# Allegro board RK3588S_Template_LP5D315P232SD10H2_42x42_2750MHz_1R2_V10_20220413YWQ.brd (continued)
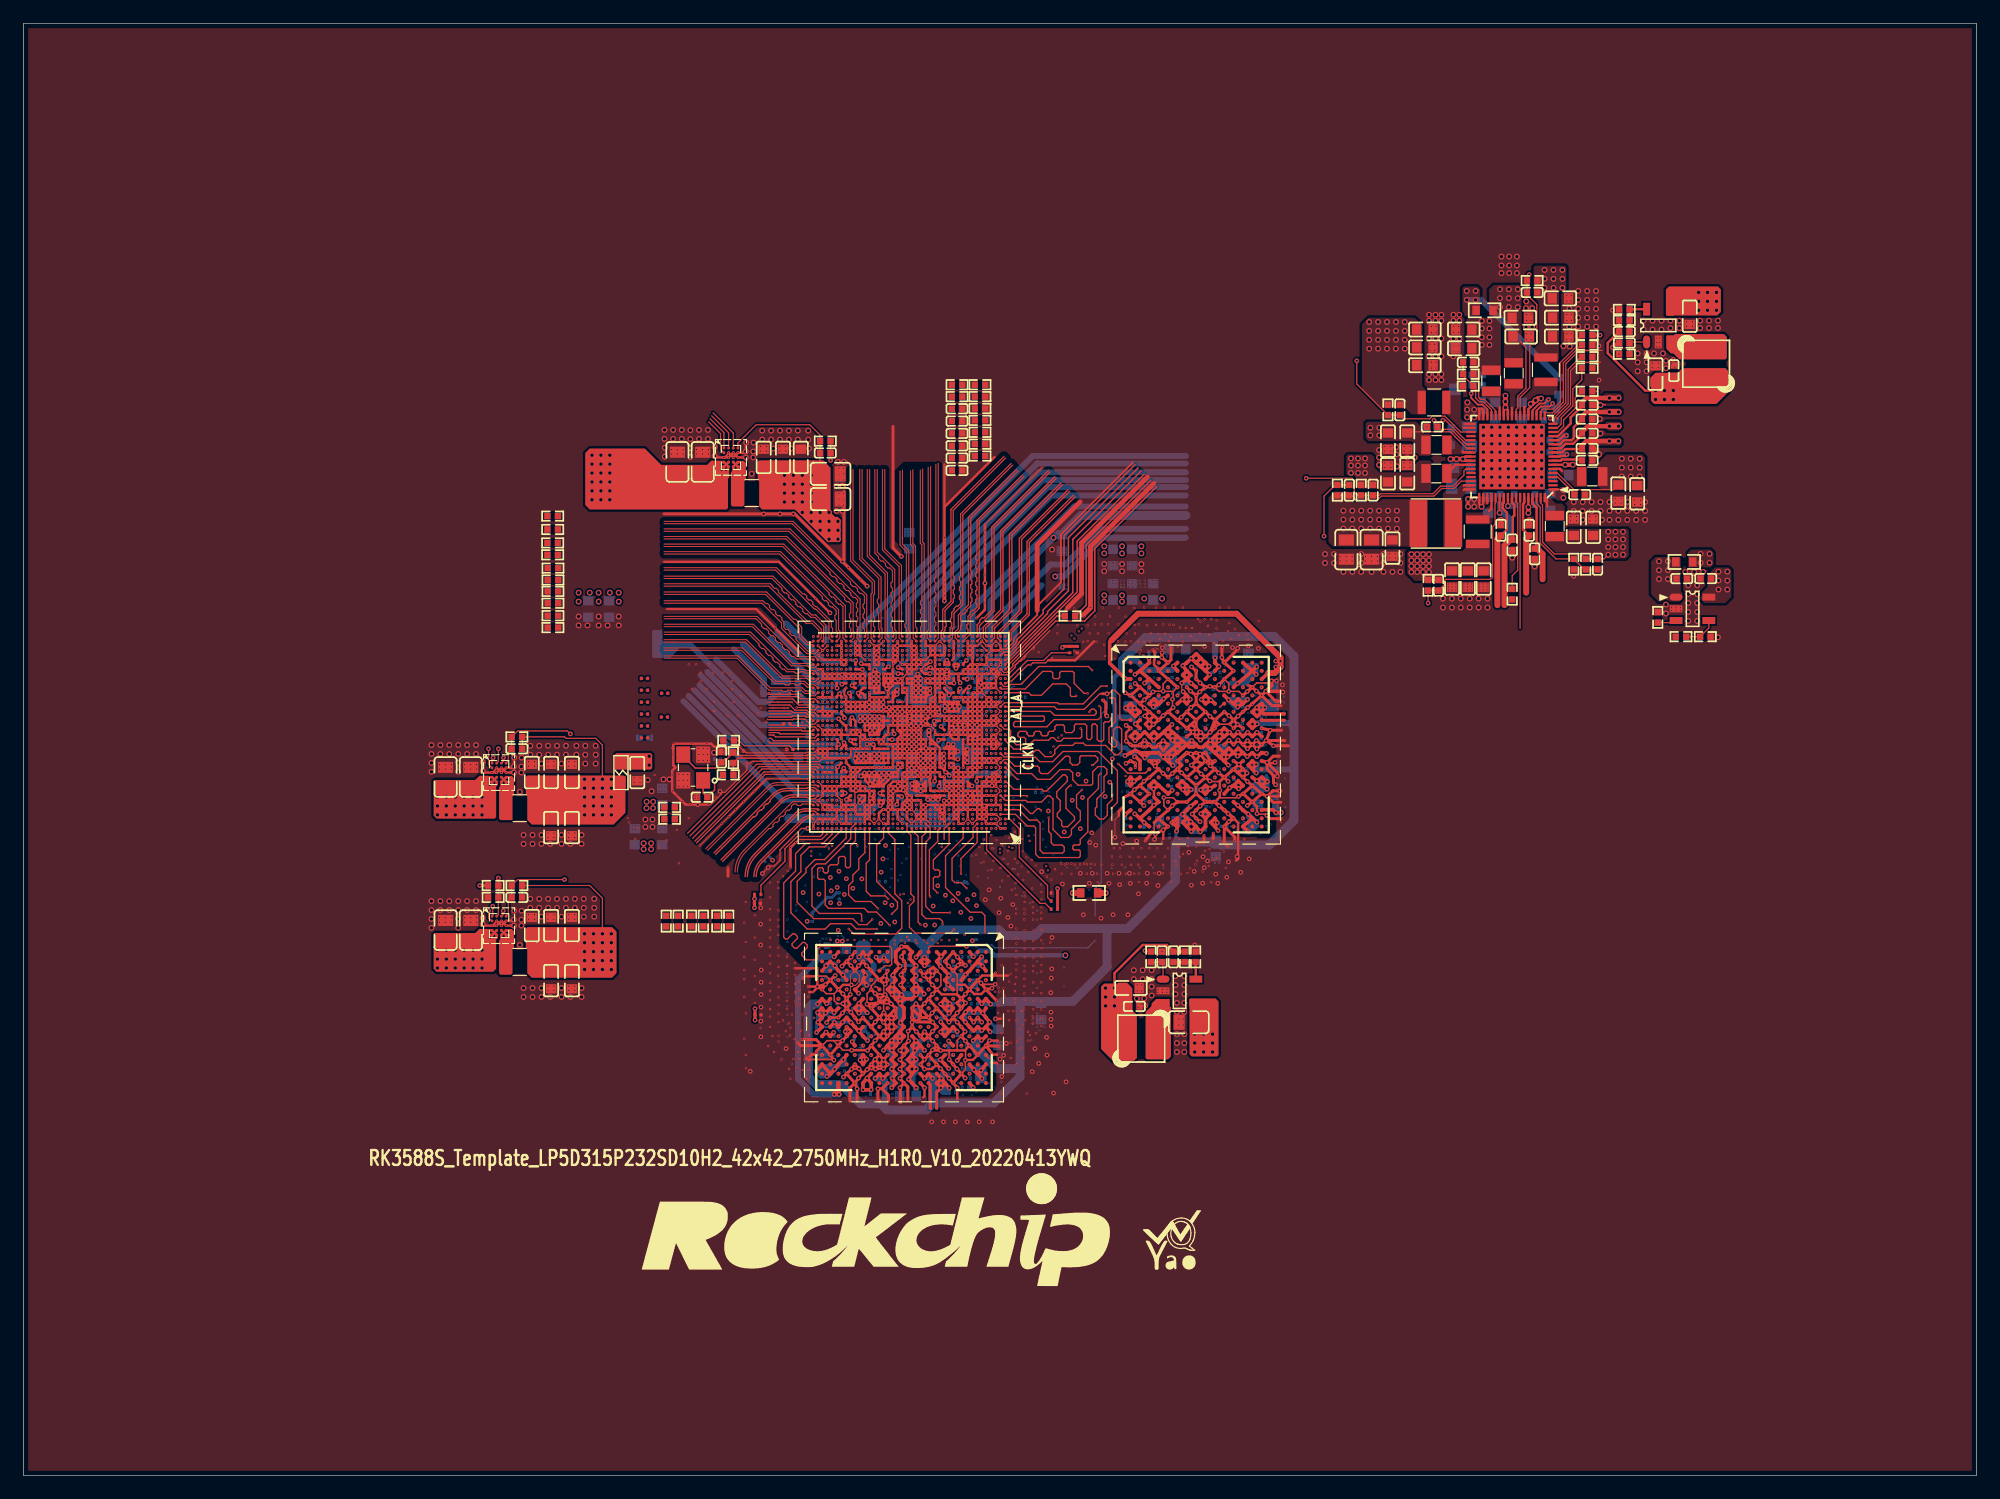
[diagram p0: board, top side]
## Routing (per net, layer and track width the routed paths; a pad name or vN(x,y) marks a point on that pad's centre or on a via; arc(x,y) is an arc through that point) (continued)
VCC1V8_PMU_DDR_S3: length 181.1
  TOP w0.102: R3950.1 95.89,44.77 v1(95.82,44.85)
  TOP w0.203: U1000.R36 69.89,60.87 v1(69.57,60.55) 69.49,60.48 U1000.N37 ; U1000.V35 70.29,62.4 70.12,62.57 v1(70.12,62.62) 70.1,62.6 70.1,62.4 70.08,62.37 70.08,62.36 69.89,62.17 U1000.V36 ; U1000.V37 69.49,62.33 v1(69.64,62.48) 69.58,62.55 69.58,62.82 U1000.Y37
  TOP w0.254: v1(69.27,44.32) U3901.Y1
  TOP w0.305: U3901.C15 v1(81.15,33.16) ; 92.96,71.37 92.81,71.22 92.81,69.41 94.11,68.11 v1(94.11,68.11) 94.16,68.06 U3900.C1 ; v1(107.47,56.66) v1(107.02,56.66) 106.78,56.9 105.84,56.9 U3900.Y15 ; U3900.C15 v1(106.36,68.58) ; U3901.C1 v1(81.16,44.34) ; U3900.Y1 v1(94.13,56.49)
  TOP w0.381: 69.64,32.92 v1(69.28,32.57) ; 69.64,32.92 U3901.Y15 ; 69.64,32.92 69.64,32.62 v1(69.68,32.57)
  TOP w0.508: 92.96,71.37 95.23,73.64 103.65,73.64 107.4,69.89 v1(107.4,69.6) v1(107.4,69.09) 107.4,69.09 106.9,68.58 v1(106.36,68.58)
  L6-S2 w0.254: v1(94.13,56.49) 94.58,56.05 95.25,56.05 95.51,56.31 95.87,56.31 96.39,55.79 98.93,55.79 99.22,55.5 99.22,54.4 99.39,54.23
  L6-S2 w0.305: 81.15,31.83 v1(81.15,33.16)
  L6-S2 w0.508: 99.22,54.53 99.66,54.09 99.53,54.09 ; 99.53,54.09 99.39,54.23 ; 99.53,54.09 99.63,53.99 106.63,53.99 106.66,54.01 ; 81.36,31.61 81.15,31.83
  L6-S2 w1.524: 70.44,31.61 85.02,31.61 89.03,35.62 v2(89.03,44.45) 97.16,44.45 101.7,49 104.08,49 106.66,51.57 106.66,54.01
  L8-S3 w0.203: 69,63.93 69.75,63.18 69.75,63.01 v5(69.77,62.99)
  L8-S3 w0.305: v5(69.77,62.99) 69.82,62.99 70.12,62.69 v1(70.12,62.62)
  L8-S3 w0.508: 55.88,70.11 62.05,63.93 69,63.93
  BOTTOM w0.102: C3961.1 68.95,32.56 68.95,32.57
  BOTTOM w0.203: v5(69.77,62.99) 70.1,62.66 70.1,62.64 v1(70.12,62.62) ; 69.57,60.7 69.57,60.73
  BOTTOM w0.254: C3912.1 94.02,67.83 94.11,67.91 v1(94.11,68.11) ; v1(81.16,44.34) 81.13,44.31 C3960.1 ; C3962.1 81.14,33.18 v1(81.15,33.16) ; C3910.1 94.13,56.19 v1(94.13,56.49) ; v1(106.36,68.58) 106.37,68.58 C3911.1
  BOTTOM w0.279: C1101.1 69.57,60.7 v1(69.57,60.55) 69.47,60.45 69.3,60.45
  BOTTOM w0.356: C1106.1 v1(69.64,62.48)
  BOTTOM w0.381: v2(89.03,44.45) 82.97,44.45 82.59,44.83 81.66,44.83 v1(81.16,44.34) ; C3959.1 69.21,44.37 v1(69.27,44.32) ; v1(107.02,56.66) 107.02,57.01 106.97,57.05 C3909.1
  BOTTOM w0.457: C1106.1 63.76,62.48
  BOTTOM w0.508: v1(69.68,32.57) v1(69.28,32.57) 67.51,32.57 66.17,33.91 66.17,42.42 68.07,44.32 68.61,44.32 C3959.1 ; 107.44,56.66 v1(107.47,56.66) ; 107.44,56.66 v1(107.02,56.66) ; 107.44,56.66 C3909.1 ; R2210.1 124.55,100.46 v2(124.08,100.46) v2(123.32,100.46) ; 63.76,62.48 65.79,60.45 69.3,60.45 69.57,60.73 ; 63.76,62.48 57.85,68.39 ; 63.76,62.48 63.76,62.48
  vias: v1(107,69.6) v1(107,69.09) v2(123.32,101.22) v2(124.08,101.22)
VCC_1V1_NLDO_S3: length 13.5
  TOP w0.203: v2(139.45,92.71) 138.56,92.71 135.36,95.91 135.36,96.78 C2326.1 R2306.1 ; v1(131.83,88.87) 131.6,88.87 131.2,88.47 U2200.13 ; v1(131.86,87.25) 131.83,87.25 131.7,87.13 131.32,87.13 131.26,87.07 U2200.9
  BOTTOM w0.508: v1(131.86,87.25) 131.51,87.25 C2264.1 C2257.1 131.71,88.87 v1(131.83,88.87)
  vias: v2(139.45,91.95) v2(140.21,92.71) v2(140.21,91.95) v2(140.97,92.71) v2(140.97,91.95)
VCC_1V8_S0: length 42.8
  TOP w0.203: C2246.1 127.25,80.02 127.25,81.91 127.38,82.04 127.38,82.93 127.19,83.12 127.19,83.12 127.18,83.13 U2200.60 ; v1(70.56,66.85) 70.69,66.72 U1000.AJ34 ; U1000.AK11 79.89,67.12 v1(80.01,67.23) ; 71.42,57.56 v1(71.48,57.51) 71.63,57.51 71.82,57.7 U1000.G31 U1000.H31 71.51,58.1 v1(71.42,58.01) 71.42,57.56 ; U1000.G28 73.09,57.36 v1(73.2,57.25) 73.29,57.25 73.49,57.45 U1000.G27 U1000.G28
  TOP w0.508: 126.54,74.37 126.54,79.46 127.05,79.97 C2246.1
  L8-S3 w0.203: v1(70.56,66.85) 70.36,67.06 70.36,67.82 70.15,68.02 69.39,68.02
  L8-S3 w0.254: v5(79.38,71.12) v5(79.38,70.87) 79.38,69.43 79.25,69.31 79.25,68.72 79.38,68.6 79.38,68.2 79.07,67.9 79.07,67.54 79.38,67.23 v1(80.01,67.23)
  L8-S3 w0.508: 69.39,68.02 69.29,68.12 64.94,68.12 v5(64.89,68.07)
  BOTTOM w0.203: 71.9,57.28 C1508.1
  BOTTOM w0.254: C1508.1 71.86,58.01 v1(71.42,58.01)
  BOTTOM w0.279: C1906.1 70.66,66.95 v1(70.56,66.85)
  BOTTOM w0.305: v1(71.42,58.01) 71.42,57.56 v1(71.48,57.51) ; 71.9,57.28 71.67,57.51 v1(71.48,57.51) ; v1(73.2,57.25) 72.98,57.25 C1902.1 ; 71.05,56.13 71.36,56.44 C1903.1 71.36,57.39 v1(71.48,57.51) ; v1(80.01,67.23) 80.13,67.11 C1302.1
  BOTTOM w0.508: R1401.2 78.92,71.57 v5(79.38,71.12) v5(79.38,70.87) ; 61.47,70.99 64.14,68.32 R1927.2 R1909.2
  BOTTOM w0.762: 65.4,56.13 71.05,56.13
  vias: v5(64.64,68.07) v5(64.64,67.82) v5(64.89,67.82)
VCC_1V8_S3: length 23.6
  TOP w0.102: U2200.25 127.53,91.08 127.68,91.23 127.68,92.22 128.37,92.91 128.37,96.42 127.89,96.9
  TOP w0.305: R2261.1 v1(134.71,97.44)
  L8-S3 w0.305: v2(127.68,99.84) 127.68,99.74 128.23,99.19 129.67,99.19 131.41,97.44 v1(134.71,97.44)
  BOTTOM w0.508: 59.18,69.72 62.79,66.12 63.63,66.12 64.14,66.63 R1928.2 R1908.2
  vias: v2(126.15,101.36) v2(126.15,100.6) v2(126.15,99.84) v2(126.92,101.36) v2(126.92,100.6) v2(126.92,99.84) v2(127.68,101.36) v2(127.68,100.6)
VCC_1V8_S3_PLDO6: length 4.1
  TOP w0.152: v1(130.65,91.6) 130.4,91.35 129.65,91.35 129.28,90.98 U2200.20
  BOTTOM w0.381: R2210.2 131.19,91.27 C2248.1 130.65,91.4 v1(130.65,91.6)
VCC_2V0_PLDO_S3: length 7.6
  TOP w0.102: U2200.41 123.32,87.77 122.3,88.78 122.3,88.8 121.92,89.18 118.02,89.18 117.98,89.22
  TOP w0.152: U2200.59 v2(126.83,82.85)
  BOTTOM w0.508: v2(126.83,82.85) 127.28,82.85 C2247.1
  vias: v2(115.08,89.53) v2(115.08,88.88) v2(115.84,89.53) v2(115.84,88.88)
VCC_3V3_S0: length 17.6
  TOP w0.203: U1000.AM33 70.99,67.7 v1(70.8,67.51) 71,67.3 U1000.AL33
  L6-S2 w0.203: 69.65,68.02 70.28,68.02
  L6-S2 w0.254: 68.85,68.82 69.65,68.02 ; 70.28,68.02 v1(70.8,67.51)
  L6-S2 w0.508: 68.85,68.82 62.48,75.18 v4(62.48,80.14)
  BOTTOM w0.279: C1907.1 70.87,67.58 v1(70.8,67.51)
  vias: v2(139.74,78.12) v2(139.74,77.36) v2(139.74,76.6) v2(140.5,78.12) v2(140.5,77.36) v2(140.5,76.6)
VCC_3V3_S3: length 7
  TOP w0.102: U2200.5 131.05,85.67 132.47,84.25 135.87,84.25 C2239.1
  TOP w0.203: R2302.1 v1(38.99,50.42)
  vias: v2(136.57,86.89) v2(136.57,86.12) v2(136.57,85.36) v2(137.33,86.89) v2(137.33,86.12) v2(137.33,85.36) v2(138.09,86.89) v2(138.09,86.12) v2(138.09,85.36) v2(144.82,77.23) v2(144.82,76.47) v2(144.82,75.71) v2(145.58,77.23) v2(145.58,76.47) v2(145.58,75.71)
VCC_5V0_PWREN_H: length 14.4
  L3-S1 w0.076: 74.14,72.8 74.29,72.64 74.29,70.5 v3(73.89,70.1)
  L3-S1 w0.102: 74.14,84.23 74.14,72.8
VCC_SYSIN: length 41.8
  TOP w0.102: v2(123.43,83.44) 123.47,83.44 123.47,83.44 v2(123.95,83.44) v2(123.95,82.78) ; v2(123.95,90.42) 124.1,90.57 U2200.34
  TOP w0.203: 131.12,84.27 U2200.1 130.68,83.77 ; 38.63,59.27 39.03,59.67 U2301.D1 U2301.E2 40.44,59.07 40.04,58.67 ; 38.63,59.27 C2302.1 ; 38.63,59.27 U2301.E1 ; 59.85,85 60.2,85.34 60.2,86.14 U2302.E2 59.85,86.59 ; 59.85,85 58.99,84.14 ; 59.85,85 U2302.E1 ; 59.85,86.59 U2302.D1 59.85,86.59 ; 59.85,86.59 58.84,86.59 58.44,86.19 ; 38.63,46.19 C2301.1 ; 38.63,46.19 39.03,46.59 U2300.D1 U2300.E2 40.44,45.99 40.04,45.59 ; 38.63,46.19 U2300.E1 ; v2(39.18,44.13) 40.04,44.99 40.04,45.59 ; U2200.64 v2(128.58,82.75) ; U2302.D2 59.85,86.2 U2302.E1 ; v2(39.18,57.21) 40.04,58.07 U2301.E1 ; U2200.22 128.58,91.12 128.78,91.31 v2(128.78,91.57) ; U2200.27 126.83,91.05 v2(126.62,91.26) 126.48,91.12 U2200.28 ; U2300.E1 40.04,45.59 ; U2300.E1 U2300.D2 ; U2200.44 123.13,86.72 v2(122.99,86.86) 123.2,87.07 U2200.43 ; U2200.53 124.73,83.08 ; U2200.34 124.38,91.14 124.33,91.19 ; U2302.E1 58.44,86.19 ; 58.44,86.19 C2317.1 ; U2301.E1 U2301.D2 ; 124.38,82.98 U2200.52 124.08,83.57 v2(123.95,83.44) ; U2200.54 125.08,83.07 ; 124.59,91.19 124.73,91.04 U2200.33 ; v2(131.73,86.37) U2200.7
  TOP w0.254: v2(123.43,82.78) v2(123.43,83.44)
  TOP w0.381: v2(126.62,92.27) v2(126.62,91.76) v2(126.62,91.26) ; v2(122.99,86.86) v2(122.45,86.86) v2(121.92,86.86) ; v2(132.39,86.37) v2(131.73,86.37)
  TOP w0.406: v2(128.78,91.57) 128.88,91.57 v2(129.19,91.87) 129.26,91.87 129.41,92.03 v2(129.67,92.03) ; v2(128.58,82.25) v2(128.58,82.75)
  BOTTOM w0.104: v2(123.95,90.42) v2(123.95,91.08)
  vias: v2(35.37,57.98) v2(35.37,57.21) v2(35.37,56.45) v2(35.37,44.89) v2(35.37,44.13) v2(35.37,43.37) v2(36.13,57.98) v2(36.13,57.21) v2(36.13,56.45) v2(36.13,44.89) v2(36.13,44.13) v2(36.13,43.37) v2(36.9,57.98) v2(36.9,57.21) v2(36.9,56.45) v2(36.9,44.89) v2(36.9,44.13) v2(36.9,43.37) v2(37.66,57.98) v2(37.66,57.21) v2(37.66,56.45) v2(37.66,44.89) v2(37.66,44.13) v2(37.66,43.37) v2(38.42,57.98) v2(38.42,57.21) v2(38.42,56.45) v2(38.42,44.89) v2(38.42,44.13) v2(38.42,43.37) v2(39.18,57.98) v2(39.18,56.45) v2(39.18,44.89) v2(39.18,43.37) v2(48.58,87.19) v2(48.58,86.43) v2(48.58,85.66) v2(48.58,84.9) v2(48.58,84.14) v2(48.58,83.38) v2(49.34,87.19) v2(49.34,86.43) v2(49.34,85.66) v2(49.34,84.9) v2(49.34,84.14) v2(49.34,83.38) v2(50.1,87.19) v2(50.1,86.43) v2(50.1,85.66) v2(50.1,84.9) v2(50.1,84.14) v2(50.1,83.38) v2(100.08,37.72) v2(100.08,36.96) v2(100.08,36.2) v2(100.84,37.72) v2(100.84,36.96) v2(100.84,36.2) v2(101.6,37.72) v2(101.6,36.96) v2(101.6,36.2) v2(123.38,91.69) v2(123.35,91.08) v2(123.35,90.42) v2(124.59,82.78) v2(131.57,84.2) v2(131.57,83.55) v2(143.13,101.09) v2(143.13,100.33) v2(143.13,99.57) v2(143.89,101.09) v2(143.89,100.33) v2(143.89,99.57) v2(144.65,101.09) v2(144.65,100.33) v2(144.65,99.57)
VCCA: length 3.3
  TOP w0.152: v1(130.3,91.96) 129.95,91.6 129.52,91.6 128.93,91.01 U2200.21
  BOTTOM w0.381: v1(130.3,91.96) 130.3,91.94 130.16,91.8 130.16,91.3 C2254.1
VCCA_1V8_S0: length 280.2
  TOP w0.178: U1000.AK12 79.35,66.9 79.13,66.69 v1(79.08,66.69)
  TOP w0.203: v1(79.08,66.69) 79.08,66.84 78.69,67.23 U1000.AL14 ; U1000.AP23 74.95,68.5 74.92,68.53 v1(74.73,68.53) ; v1(70.08,60.44) 70.08,60.39 ; 70.08,60.39 69.89,60.2 U1000.N36 ; 70.08,60.39 70.29,60.19 U1000.N35 ; U1000.AM35 70.04,67.7 69.95,67.61 v1(69.93,67.61) ; v1(71.58,69.39) 71.67,69.3 U1000.AT30 U1000.AR30 ; U2200.58 126.48,83.13 126.47,83.12 126.47,83.12 126.38,83.03 126.38,82.66 126.75,82.29 126.75,80.83 C2249.1 ; U1000.AR23 75.07,68.9 75.01,68.96 74.83,68.96 v1(74.74,69.05) ; U1000.AB25 74.29,63.53 74.4,63.42 v1(74.4,63.37)
  TOP w0.229: U1000.H34 70.67,58.1 v1(70.33,57.76) 70.39,57.7 U1000.G34
  TOP w0.508: C2249.1 125.93,80.02 125.93,74.37
  L6-S2 w0.152: 79.38,70.71 79.38,69.34 79.2,69.16 79.2,68.76 79.32,68.64 79.32,68.35 78.77,67.79 78.66,67.79
  L6-S2 w0.254: 79.38,70.71 79.33,70.71 78.46,69.85 78.46,67.99 78.66,67.79
  L6-S2 w0.457: 78.66,67.79 78.66,67.74 78.67,67.74 78.67,67.11 v1(79.08,66.69) ; 79.38,70.71 79.48,70.71 80.21,71.45 80.21,74.36 81.44,75.58 81.44,76.29 81.98,76.83 v2(88.15,76.83)
  L8-S3 w0.191: 72.06,63.25 71.04,64.27
  L8-S3 w0.203: 69.06,64.54 69.34,64.27 71.04,64.27 ; 72.06,63.25 72.42,63.25 73.79,63.25 73.89,63.35 74.37,63.35 v1(74.4,63.37)
  L8-S3 w0.254: v1(74.73,68.53) 74.82,68.53 75.17,68.87 75.17,69.71
  L8-S3 w0.305: 75.17,69.71 75.19,69.73 75.19,71.82 74.37,72.64
  L8-S3 w0.508: 108.15,87.63 68.71,87.63 67.56,86.49 64.52,86.49 63.8,85.77 63.8,81.23 72.39,72.64 74.37,72.64 ; v5(66.78,64.54) v5(67.03,64.54) 69.06,64.54
  BOTTOM w0.254: v1(70.08,60.44) 70.08,60.2 ; C1104.1 74.4,63.37 v1(74.4,63.37) ; v1(74.74,69.05) 74.74,69.14 75.07,69.47 75.35,69.47 75.61,69.72 C1403.1 C1404.1 75.61,70.87 ; 68.93,68.2 69.09,68.2
  BOTTOM w0.279: 71.43,71.43 C1610.1 C1609.1 71.58,70.12 v1(71.58,69.39) ; C1802.1 70.64,58.07 v1(70.33,57.76) ; 69.09,68.2 69.41,67.88 69.61,67.88 C1601.1 69.7,67.84 v1(69.93,67.61) 70.15,67.84 C1600.1 ; v1(74.73,68.53) 74.6,68.53 74.4,68.73 C1506.1 ; 69.72,59.79 C1100.1 70.08,59.84 70.08,60.2
  BOTTOM w0.305: v1(70.33,57.76) 70.34,57.75 C1803.1 70.08,57.15 68.83,57.15 68.33,57.66 64.9,57.66
  BOTTOM w0.508: 56.39,66.17 64.9,57.66 ; 71.43,71.43 71.43,72.31 86.23,87.12 99.31,87.12 ; 75.61,70.87 75.61,74.59 86.74,85.72 99.31,85.72 ; 69.72,59.79 65.52,59.79 57.76,67.54 ; v2(88.15,76.83) C1716.1 88.89,76.83 92.2,80.14 99.31,80.14 ; 58.43,68.67 62.97,64.13 C1114.1 ; 64.43,72.09 68.32,68.2 68.93,68.2 ; R1402.2 77.6,74.55 87.5,84.45 99.31,84.45
  vias: v5(66.55,64.54)
VCCA_3V3_S0: length 35.6
  TOP w0.203: v1(80.57,69.65) 80.29,69.37 U1000.AT10 ; C2251.1 128.13,80.84 128.13,82.93 128.13,82.94 128.13,83.03 128.23,83.13 U2200.63
  TOP w0.508: C2251.1 128.4,80.07 128.4,75.44
  BOTTOM w0.254: C1405.1 80.79,69.87 v1(80.57,69.65)
  BOTTOM w0.406: C1405.1 81.1,69.9 81.1,70.23
  BOTTOM w0.508: 99.31,82.8 89.78,82.8 81.1,74.12 81.1,70.23
  vias: v2(143.3,78.76) v2(143.3,78) v2(144.06,78.76) v2(144.06,78)
VCCIO5: length 15.6
  TOP w0.203: U1000.AC34 70.69,64.67 v1(70.79,64.77) 71.09,64.47 U1000.AC33
  L8-S3 w0.254: 68.79,65.16 70.38,65.16 70.76,64.77 v1(70.79,64.77)
  L8-S3 w0.508: v5(63.24,67.18) 65.27,65.16 68.79,65.16
  BOTTOM w0.279: v1(70.79,64.77) 70.56,64.54 C1905.1
  BOTTOM w0.508: 60.71,70.61 63.24,68.08 R1927.1 v5(63.24,67.44) v5(63.24,67.18) R1928.1
  vias: v5(62.99,67.44) v5(62.99,67.18)
VCCIO5_1V8: length 6.6
  TOP w0.203: v1(70.15,64.73) 70.15,64.85 69.89,65.11 U1000.AF36
  BOTTOM w0.203: v1(70.15,64.73) 70.15,64.77 69.85,65.07 69.81,65.07 69.73,65.15 C1904.1
  BOTTOM w0.254: 68.58,65.53 68.96,65.53 69.34,65.15 C1904.1
  BOTTOM w0.508: 68.58,65.53 67.85,65.53 67.72,65.66 67.32,65.66 R1908.1 R1909.1
VCCIO_FLASH: length 18.2
  TOP w0.203: U1000.AB35 U1000.AC35 70.17,64.1 69.65,64.62 v1(69.65,64.67)
  BOTTOM w0.254: v1(69.65,64.67) 68.85,64.67 C1300.1
  BOTTOM w0.508: 55.41,70.97 56.99,70.97 62.91,65.05 67.48,65.05 67.74,64.79 C1300.1
VCCIO_SD_S0: length 21.7
  TOP w0.178: v1(80.82,67.39) 80.7,67.26 80.57,67.26 80.39,67.08 80.39,67 U1000.AK10
  TOP w0.203: C2253.1 129.29,79.37 129.29,82.68 129.16,82.8 129.16,82.81 128.93,83.04 U2200.65
  TOP w0.508: 129.79,76.58 129.79,78.74 129.33,79.21 C2253.1
  BOTTOM w0.254: C1301.1 80.74,67.27 80.82,67.36 v1(80.82,67.39)
  BOTTOM w0.305: 81.15,66.67 81.04,66.79 C1301.1
  BOTTOM w0.406: 83.74,69.18 82.42,67.86 82.42,67.2 81.9,66.67 81.15,66.67
  BOTTOM w0.457: 84.67,70.74 84.67,70.51 83.74,69.58 83.74,69.18
  BOTTOM w0.508: 86.99,76.07 84.67,73.75 84.67,70.74
VDD2_DDR_S3: length 239.5
  TOP w0.102: R2218.1 124.33,93.67 124.33,92.11 124.49,91.96 124.82,91.96 125.78,91 U2200.30 ; v1(98.97,67.72) 98.97,67.1 v1(99.09,66.98)
  TOP w0.254: U3901.AB8 v1(68.54,39.53)
  TOP w0.305: U3900.A8 100.2,69.46 100.58,69.85 ; U3900.A8 100.6,69.11 ; U3900.A8 v1(99.78,69.82) ; v1(76.29,33.14) U3901.K15 v1(75.62,33.85) U3901.K14 ; v1(98.18,62.83) U3900.K5 ; v1(98.18,62.83) U3900.K6 ; v1(98.18,62.83) U3900.L6 ; U3900.K5 98.09,63.46 98.26,63.46 ; U3900.K5 97.47,63.48 97.47,63.57 ; U3901.F7 v1(78.37,40.29) U3901.F6 v1(79.14,40.33) ; U3901.F7 v1(79.1,39.5) U3901.E7 v1(79.14,40.33) ; U3901.F7 v1(79.14,40.33) ; v1(74.19,36.34) U3901.M12 74.14,35.54 U3901.M13 v1(74.19,34.74) U3901.M14 v1(74.25,33.94) U3901.M15 v1(74.19,33.14) ; v1(74.19,36.34) U3901.N11 ; v1(74.19,36.34) U3901.M11 ; U3900.B7 v1(99.06,69.21) U3900.A7 v1(99.78,69.82) ; U3900.B7 99.05,68.41 U3900.C7 ; U3900.B7 99.4,68.75 99.74,68.4 U3900.C7 ; U3900.E7 v1(99.09,66.98) ; U3900.E7 v1(99.02,66.31) ; U3900.E7 v1(99.7,66.33) U3900.F7 v1(99.02,66.31) ; U3901.L6 v1(74.9,40.34) ; U3901.L6 v1(75.02,41.08) ; U3901.L6 U3901.K6 v1(76.27,41.08) ; v1(74.9,40.34) U3901.M6 ; v1(74.9,40.34) U3901.L7 U3901.L8 v1(74.93,38.69) U3901.L9 74.86,37.91 ; U3900.N11 102.26,61.35 ; U3900.N11 v1(102.89,61.41) ; U3900.N11 v1(102.95,60.7) ; 102.26,61.35 U3900.M10 ; 102.26,61.35 102.26,61.42 U3900.M11 ; U3900.T7 99,59.36 U3900.T6 v1(99.06,58.6) ; U3900.T7 v1(99.75,58.62) U3900.V7 v1(99.06,58.6) ; U3900.T7 v1(99.06,58.6) ; U3901.K10 v1(76.26,37.17) ; v1(76.26,37.17) U3901.J11 ; v1(76.26,37.17) U3901.K11 v1(76.17,36.32) ; U3900.T10 v1(101.38,58.69) ; v1(101.38,58.69) U3900.T9 v1(100.59,58.59) U3900.V9 v1(101.38,58.69) ; v1(94.12,61.51) U3900.M1 95,61.98 U3900.M2 ; U3900.L10 102.21,62.1 ; U3900.L10 v1(102.14,62.81) ; U3900.L10 101.43,62.08 ; U3900.L10 v1(101.41,62.83) ; 102.21,62.1 U3900.M11 ; 102.21,62.1 102.14,62.1 U3900.M10 ; U3901.AA9 v1(69.3,38.73) U3901.Y9 v1(69.99,38.74) U3901.W8 v1(70.7,38.72) U3901.V9 v1(71.38,37.99) ; 100.6,69.11 100.94,69.45 100.99,69.45 ; 100.6,69.11 U3900.B9 ; U3900.K4 v1(96.57,62.81) U3900.K3 ; U3900.K4 97.47,63.57 ; U3900.K4 96.6,63.56 U3900.K3 ; U3900.M2 95.4,61.73 95.78,61.34 v1(95.81,61.34) 95.81,61.37 96.2,61.76 U3900.M3 ; U3900.M2 U3900.M3 ; U3900.M5 98.18,62.09 ; U3900.M5 v1(98.07,61.4) ; U3900.M5 v1(97.38,61.4) ; 98.18,62.09 U3900.L6 ; 98.18,62.09 98.27,62.09 U3900.M6 ; U3901.F9 v1(78.37,37.91) U3901.F10 79.13,37.99 ; U3901.F9 79.13,37.99 ; U3901.F9 v1(78.38,38.77) ; v1(102.14,62.81) U3900.K11 ; v1(102.14,62.81) U3900.K10 ; U3900.L7 v1(99.82,62.8) U3900.L8 ; U3900.L7 99.09,62.19 ; U3900.L7 99.07,62.75 ; U3900.L7 99.6,62.26 100,62.26 U3900.L8 ; 97.47,63.57 U3900.J5 ; U3900.C7 v1(99.77,67.7) U3900.D8 ; U3900.C7 v1(98.97,67.72) ; v1(103.05,63.5) U3900.K11 ; v1(103.05,63.5) U3900.K12 v1(103.77,63.52) U3900.K13 v1(104.6,63.51) U3900.K14 v1(105.4,63.51) U3900.K15 ; v1(103.05,63.5) U3900.J11 v1(102.2,63.53) ; U3900.K11 v1(102.2,63.53) ; 74.86,37.91 75.23,37.54 U3901.L10 v1(74.89,37.14) ; 74.86,37.91 U3901.M10 ; U3900.AA9 101.35,56.51 U3900.Y9 v1(100.59,56.55) U3900.AA9 ; U3900.AA9 U3900.AB9 v1(100.54,55) U3900.AB8 ; U3900.K2 95,63.56 U3900.K1 v1(94.98,62.79) U3900.K2 ; U3900.K2 95.8,63.56 U3900.K3 ; U3900.M12 v1(103.74,61.47) U3900.M13 ; U3900.M12 v1(102.89,61.41) ; U3900.M12 103.8,62.16 U3900.M13 ; U3900.M12 103,62.16 U3900.M11 ; U3900.J5 v1(98.13,64.18) ; U3900.J5 98.26,63.46 ; v1(99.78,69.82) 99.79,69.82 100.2,70.23 100.58,69.85 ; U3900.M10 101.43,62.08 ; U3900.L9 101.43,62.08 ; U3900.L9 100.77,62.23 100.43,62.23 U3900.L8 ; U3900.L9 v1(101.41,62.83) ; v1(74.24,41.11) U3901.M6 ; v1(74.24,41.11) U3901.N5 v1(74.24,41.94) ; v1(74.24,41.11) U3901.M5 ; U3901.M6 v1(75.02,41.08) ; U3900.K6 98.26,63.46 ; U3900.K6 99.07,62.75 ; U3900.B9 v1(101.34,68.44) U3900.C9 ; U3900.B9 v1(101.3,69.15) U3900.A9 100.99,69.45 ; U3901.K14 75.54,34.74 U3901.K13 ; U3901.K14 v1(76.29,34.74) U3901.K13 ; v1(75.02,41.08) U3901.M5 ; v1(71.39,40.35) U3901.T7 ; v1(71.39,40.35) U3901.T6 ; v1(71.39,40.35) U3901.V7 v1(71.39,39.51) U3901.T7 ; U3901.T7 v1(72.09,39.55) ; U3900.M11 v1(102.89,61.41) ; v1(76.27,41.08) U3901.J5 ; v1(76.27,41.08) U3901.K5 v1(76.26,41.94) ; U3901.J5 v1(76.26,41.94) ; U3901.J5 v1(76.96,41.16) ; 99.07,62.75 U3900.L6 ; v1(79.79,37.94) U3901.E9 79.13,37.99 ; v1(99.74,55.87) U3900.AB8 ; v1(99.74,55.87) U3900.AB7 ; v1(99.74,55.87) U3900.AA7 ; U3900.AB8 v1(99.78,55.03) U3900.AB7 ; U3900.M13 v1(104.57,61.44) U3900.M14 v1(105.38,61.43) U3900.M15 v1(106.2,61.7) ; U3900.AB7 99.05,55.81 U3900.AA7 ; v1(82.6,37.92) 82.6,37.92 U3901.A9 ; v1(74.24,41.94) U3901.M4 v1(74.28,42.76) U3901.M3 v1(74.9,43.53) U3901.M2 U3901.M1 v1(75.02,45.19) 75.49,45.19 U3901.K1 75.76,44.56 75.76,44.13 75.94,43.95 U3901.K2 v1(76.28,43.57) U3901.K3 v1(76.26,42.7) U3901.K4 v1(76.26,41.94) ; v1(74.24,41.94) U3901.M5 ; v1(76.99,36.34) U3901.J11 ; U3901.J11 v1(76.17,36.32) ; v1(99.02,66.31) U3900.F6 ; 99.09,62.19 U3900.M6 ; 99.09,62.19 98.86,62.19 U3900.L6 ; v1(101.46,66.25) U3900.F9 v1(100.64,66.31) U3900.E9 v1(101.46,66.25) ; v1(101.46,66.25) U3900.F10 ; U3900.M6 v1(98.07,61.4) ; v1(98.07,61.4) U3900.N5 ; v1(71.38,37.99) U3901.T10 v1(72.11,37.17) ; v1(71.38,37.99) U3901.T9 ; v1(74.89,37.14) U3901.M11 ; v1(74.89,37.14) U3901.M10 ; U3901.M11 v1(74.19,37.18) ; U3900.M3 U3900.M4 v1(97.38,61.4) ; U3901.M10 v1(74.19,37.18) ; v1(97.38,61.4) U3900.N5 ; v1(74.19,37.18) U3901.N11 ; v1(101.41,62.83) U3900.K10 ; 100.99,69.45 100.58,69.85 ; U3901.N11 v1(73.49,36.34) ; v1(76.17,36.32) U3901.K12 ; U3900.W8 v1(99.73,57.19) U3900.Y7 v1(99.03,56.5) U3900.AA7 ; U3901.K12 v1(76.26,35.57) U3901.K13 ; U3901.K12 75.54,35.54 U3901.K13 ; U3901.A9 v1(82.55,38.74) U3901.A8 v1(81.97,39.5) ; U3901.A9 v1(81.89,38.04) U3901.B9 81.19,37.99 U3901.C9 v1(80.49,38.74) U3901.D8 v1(80.5,39.6) U3901.C7 v1(81.19,39.56) U3901.B7 v1(81.97,39.5) ; U3900.N5 v1(98.21,60.68) ; v1(81.97,39.5) U3901.A7 ; v1(67.76,37.86) U3901.AB9 v1(67.89,38.74) U3901.AB8 v1(67.85,39.56) U3901.AB7 v1(68.54,39.53) U3901.AA7 v1(69.26,39.56) U3901.Y7 ; U3900.K10 v1(102.2,63.53)
  TOP w0.508: R3920.1 v2(92.46,49.78)
  L3-S1 w0.127: 96.93,61.4 96.99,61.46 96.99,61.66 ; 96.99,61.66 97.26,61.4 ; 96.99,61.66 v3(96.99,61.68)
  L3-S1 w0.254: v4(96.87,61.34) 96.93,61.4 v1(97.38,61.4) v1(98.07,61.4) 98.07,60.83 v1(98.21,60.68)
  BOTTOM w0.102: v1(102.95,60.7) 102.99,60.75 103.24,60.75
  BOTTOM w0.254: v1(100.59,56.55) 100.7,56.65 C9923.1 ; v1(100.54,55) 100.71,55.17 C3944.1 ; v1(72.11,37.17) 72.11,37.17 72.11,37.23 72.2,37.33 C1270.1 71.99,37.94 ; 74.24,41.11 74.26,41.13 74.84,41.13 74.86,41.12 74.99,41.12 v1(75.02,41.08) 75.18,41.24 75.43,41.24 ; v1(78.38,38.77) C1272.1 78.68,39.08 v1(79.1,39.5) 79.14,39.54 v1(79.14,40.33) ; C3991.1 81.76,37.91 v1(81.89,38.04) ; 71.99,37.94 71.43,37.94 v1(71.38,37.99) ; 71.99,37.94 71.92,38.01 C3993.1 71.81,38.36 71.44,37.99 v1(71.38,37.99) ; v1(76.17,36.32) 75.96,36.54 C1268.1 75.85,36.53 75.85,35.91 ; 69.26,38.76 v1(69.26,39.56) 68.58,39.56 v1(68.54,39.53) ; 69.26,38.76 v1(69.3,38.73) 69.31,38.74 v1(69.99,38.74) 70.68,38.74 v1(70.7,38.72) 70.7,38.62 71.34,37.99 v1(71.38,37.99) ; 69.26,38.76 68.54,39.49 v1(68.54,39.53) ; v1(99.06,58.6) 98.82,58.85 C3935.1 ; C3996.1 76.26,37.17 v1(76.26,37.17) 76.26,37.17 76.26,36.41 76.26,36.41 ; v1(76.27,41.08) 76.27,41.09 76.26,41.11 ; C3949.1 95.2,63 v1(94.98,62.79) ; 75.85,35.91 75.85,35.2 C1266.1 76.29,34.76 ; 75.85,35.91 76.19,35.57 v1(76.26,35.57) ; 99.7,55.91 99.12,56.49 99.07,56.56 99.11,56.7 99.6,57.19 99.7,57.19 ; v1(67.76,37.86) 67.76,37.87 C3992.1 67.76,38.61 v1(67.89,38.74) 67.85,38.77 v1(67.85,39.56) 68.5,39.56 v1(68.54,39.53) ; 75.43,41.24 76.1,41.24 76.24,41.1 76.25,41.1 76.26,41.09 ; 75.43,41.24 75.31,41.12 C3990.1 75.05,40.34 v1(74.9,40.34) 74.96,40.28 C3981.1 74.96,38.81 74.93,38.79 ; C3946.1 101.53,68.63 v1(101.34,68.44) ; C1254.1 101.09,63.15 v1(101.41,62.83) 102.12,62.83 v1(102.14,62.81) ; 76.28,43.53 76.26,43.5 v1(76.26,42.7) 76.26,42.7 v1(76.26,41.94) ; v1(74.9,43.53) 74.97,43.59 C3983.1 76.18,43.59 76.2,43.57 v1(76.28,43.57) ; C3994.1 79.78,37.93 v1(79.79,37.94) 78.4,37.94 v1(78.37,37.91) ; v1(71.39,40.35) 71.39,40.27 71.42,40.23 71.42,39.54 ; v1(81.97,39.5) 81.89,39.5 81.86,39.47 C1267.1 81.28,39.47 v1(81.19,39.56) ; v1(75.62,33.85) 76.29,33.19 v1(76.29,33.14) ; 74.19,35.13 74.2,35.15 74.2,35.52 74.19,35.54 ; v1(74.89,37.14) 74.23,37.14 v1(74.19,37.18) ; v1(80.49,38.74) 80.5,38.75 v1(80.5,39.6) ; v1(94.12,61.51) 94.03,61.61 C3943.1 ; v1(74.24,41.11) 74.24,41.13 74.16,41.21 74.16,41.86 v1(74.24,41.94) 74.16,42.02 74.16,42.64 74.24,42.72 ; 74.22,33.97 74.22,34.33 C3999.1 74.24,34.68 v1(74.19,34.74) ; v1(79.14,40.33) 79.11,40.29 v1(78.37,40.29) ; v1(79.14,40.33) 79.16,40.34 C1273.1 ; 76.26,41.93 76.52,41.67 C3987.1 76.74,41.38 v1(76.96,41.16) 76.31,41.16 76.26,41.11 ; v1(82.6,37.92) 82.65,37.92 82.67,37.94 83.1,37.94 C3982.1 83.18,38.15 82.58,38.74 v1(82.55,38.74) ; 76.26,41.11 76.26,41.84 76.26,41.84
  BOTTOM w0.381: C1266.1 76.26,35.52 v1(76.26,35.57) ; v1(76.99,36.34) 76.97,36.32 76.49,36.32 ; v1(99.06,58.6) 99.08,58.62 v1(99.75,58.62) 99.77,58.59 v1(100.59,58.59) 101.28,58.59 v1(101.38,58.69) ; 76.49,36.32 76.57,36.4 76.57,37.17 ; 76.49,36.32 v1(76.17,36.32) ; v1(76.96,41.16) 76.88,41.08 v1(76.27,41.08) ; v1(99.03,56.5) 98.48,55.95 C3932.1 99.7,55.91 v1(99.74,55.87) 99.74,55.89 99.07,56.56 99.7,57.19 ; v1(76.27,41.08) 75.58,41.08 75.43,41.24 ; v1(76.27,41.08) 76.26,41.09 v1(76.26,41.94) 76.26,41.94 v1(76.26,42.7) 76.28,42.73 v1(76.28,43.57) ; v1(76.17,36.32) 76.26,36.41 v1(76.26,37.17) ; v1(76.17,36.32) 76.26,36.24 v1(76.26,35.57) ; 99.02,67.7 v1(99.77,67.7) ; v1(74.28,42.76) 74.24,42.72 v1(74.24,41.94) 74.24,41.11 v1(74.24,41.11) 74.26,41.08 v1(75.02,41.08) 74.9,40.96 v1(74.9,40.34) 74.9,40.02 74.93,39.99 ; v1(76.26,35.57) 76.29,35.54 76.29,34.76 ; v1(72.09,39.55) 71.43,39.55 v1(71.39,39.51) ; 74.93,39.99 74.96,40.01 ; 74.93,39.99 v1(74.93,38.69) 74.89,38.64 v1(74.89,37.14) 74.84,37.18 v1(74.19,37.18) 74.19,36.92 73.8,36.54 74.19,36.16 v1(74.19,34.74) 74.19,34 v1(74.25,33.94) 74.25,33.54 74.19,33.48 v1(74.19,33.14) ; v1(96.57,62.81) 96.57,62.14 ; v1(76.29,33.14) 76.02,33.41 76.02,34.2 76.29,34.47 v1(76.29,34.74) ; v1(80.5,39.6) 80.54,39.56 v1(81.19,39.56) ; v1(100.54,55) 99.82,55 v1(99.78,55.03)
  BOTTOM w0.508: v1(76.29,33.14) 76.27,33.12 C3980.1
  vias: v2(124.6,98.66) v2(124.6,98.01) v2(124.6,97.26) v2(124.6,96.61) v2(125.26,98.66) v2(125.26,98.01) v2(125.26,97.26) v2(125.26,96.61)
VDD2L_0V9_DDR_S3: length 213.5
  TOP w0.203: R3951.1 C1292.1 97.69,45.34 95.63,45.34 93.22,42.93 v2(93.22,41.66)
  TOP w0.254: v1(72.85,44.29) U3901.P2 v1(73.52,44.26) U3901.N2
  TOP w0.305: v1(101.81,69.89) U3900.A10 v1(102.14,69.13) U3900.B10 ; U3900.AB6 v3(98.08,55.79) U3900.AA6 U3900.AB6 ; U3900.AB6 v1(98.52,55.06) ; v1(67.85,40.3) U3901.AB6 v1(68.63,40.32) U3901.AA6 ; U3901.N14 v1(73.43,33.94) U3901.P14 v1(72.79,33.94) ; U3901.B6 v1(81.88,40.32) U3901.A6 v1(82.64,40.28) ; U3900.P14 104.65,60.71 U3900.N14 v1(105.33,60.76) U3900.P14 ; U3900.P14 v1(105.34,60.03) ; U3900.H2 v1(95.02,64.22) U3900.J2 ; v1(77.69,33.94) U3901.H14 v1(76.99,33.94) U3901.J14 ; U3901.AB10 v1(68.58,37.89) U3901.AA10 v1(69.23,37.87) ; U3900.AB10 101.45,55.81 U3900.AA10 v1(102.01,55.78) U3900.AB10 ; U3900.AB10 v1(102.07,55.12) ; v1(81.15,37.16) U3901.B10 v1(81.85,37.19) U3901.A10 ; U3900.P2 U3900.N2 95.04,61.42 v1(94.93,61.42) ; U3900.B6 v1(98.26,69.17) U3900.A6 ; U3900.H14 104.65,64.21 U3900.J14 v1(105.4,64.21) U3900.H14 ; v1(77,44.29) U3901.J2 v1(77,43.57) U3901.H2 v1(77,44.29)
  L3-S1 w0.203: v3(98.08,55.79) 98.52,55.36 v1(98.52,55.06)
  BOTTOM w0.102: C3907.1 98.16,68.73 ; 83.42,40.28 83.58,40.44 83.6,40.44 ; v1(101.81,69.89) 101.87,69.83 C3908.1
  BOTTOM w0.203: 98.27,69.21 98.14,69.13 C3907.1 ; C3904.1 105.36,64.26 105.36,64.25 v1(105.4,64.21) ; v1(94.93,61.42) C3902.1
  BOTTOM w0.254: 101.87,71.62 101.87,69.41 v1(102.14,69.13) ; 94.61,61.76 C3902.1 ; 94.75,64.78 C3906.1 94.89,64.34 v1(95.02,64.22) ; 98.49,54.01 C3901.1 98.49,55.03 v1(98.52,55.06) ; 105.36,60.72 105.22,60.58 105.22,60.15 105.34,60.04 ; v1(76.99,33.94) v1(77.69,33.94) 77.67,33.96 C3955.1 ; v1(81.88,40.32) 81.88,40.32 C3952.1 ; C3958.1 73.15,34 73.14,34 ; C3951.1 73.55,44.23 v1(73.52,44.26) ; C3957.1 81.11,37.12 v1(81.15,37.16)
  BOTTOM w0.356: 95.91,68.83 95.79,68.83 95.77,68.86 ; 98.14,68.86 98.12,68.83
  BOTTOM w0.381: 81.39,36.28 81.11,36.56 C3957.1 ; 81.39,36.28 81.39,37.19 ; 81.39,36.28 81.45,36.22 81.6,36.37 81.6,37.19 ; 98.14,68.86 98.26,68.97 v1(98.26,69.17) ; 81.39,37.19 81.18,37.19 v1(81.15,37.16) ; 81.39,37.19 81.6,37.19 ; 93.76,62.19 94.18,62.19 94.61,61.76 C3902.1 94.94,61.43 v1(94.93,61.42) ; v1(81.88,40.32) 82.59,40.32 v1(82.64,40.28) 83.42,40.28 ; v1(73.52,44.26) 72.89,44.26 v1(72.85,44.29) ; 81.6,37.19 v1(81.85,37.19) ; 105.36,64.25 108.19,64.25 ; 85.15,34.83 85.1,34.78